# Altium PCB LOAPAY_V5.7.8.PcbDoc (continued)
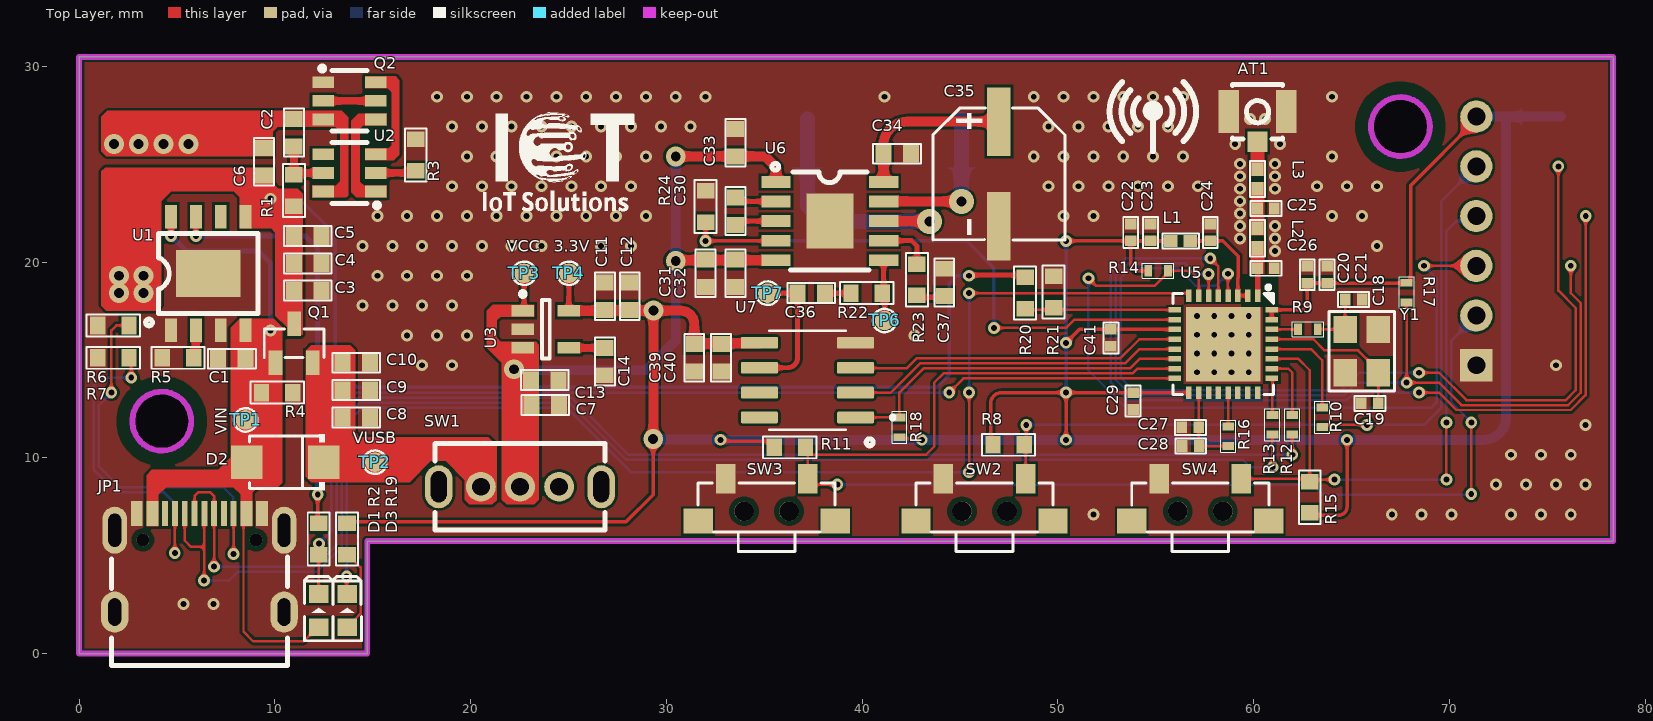
[diagram p0: Top Layer view]
## Part data (continued)
C35: library part C_ALU_220uF_10V_D, "220uF 10V 110mA@120Hz ±20% SMD,D6.3xL7.7mm Aluminum Electrolytic Capacitors - SMD ROHS", LCSC Part=C72495, Manufacture Part Number=RVT1A221M0607, Manufacturer=ROQANG, Package=SMD,D6.3xL7.7mm, Tolerance=±20%, Link=https://www.lcsc.com/product-detail/Aluminum-Electrolytic-Capacitors-SMD_ROQANG-RVT1A221M0607_C72495.html?s_z=n_RVT1A221M0607, Packaging="Cut Tape (CT)"
C36 C37: library part C0603_MLCC_3.3nF_50V, "50V 3.3nF X7R ±10% 0603 Multilayer Ceramic Capacitors MLCC - SMD/SMT ROHS", LCSC Part=C107088, Manufacture Part Number=CC0603KRX7R9BB332, Manufacturer=YAGEO, Package=0603, Tolerance=±10%, Link=https://www.lcsc.com/product-detail/Multilayer-Ceramic-Capacitors-MLCC-SMD-SMT_YAGEO-CC0603KRX7R9BB332_C107088.html?s_z=n_0603%25203.3nF%2520, Packaging="Cut Tape (CT)"
D1: library part L0603_RED, "20mA 330mcd Colorless Transparent Lens -20℃~+85℃ Positive Stick 620nm~630nm Red 120° 50mW 2.3V 0603 LED Indication - Discrete ROHS", LCSC Part=C965799, Manufacture Part Number=XL-1608SURC-06, Manufacturer=XINGLIGHT, Package=0603, Link=https://www.lcsc.com/product-detail/LED-Indication-Discrete_XINGLIGHT-XL-1608SURC-06_C965799.html?s_z=n_LED%200603%20red, Packaging="Cut Tape (CT)"
D2: "3A Independent Type 1.1V@3A 1kV SMAF Diodes - General Purpose ROHS", LCSC Part=C123928, Manufacturer="Shandong Jingdao Microelectronics", Package=SMAF, Link=https://www.lcsc.com/product-detail/Diodes-General-Purpose_Shandong-Jingdao-Microelectronics-S3MF_C123928.html?s_z=n_s3m, Manufacture Part Number=S3MF, Packaging="Cut Tape"
D3: library part L0603_GREEN, "225mcd~450mcd Colorless Transparent Lens -40℃~+85℃ Positive Stick 520nm~535nm Green 120° 70mW 2.4V~3V 0603 LED Indication - Discrete ROHS", LCSC Part=C19171301, Manufacture Part Number=A-SP192DGHC-C01-4T, Manufacturer=Amicc, Package=0603, Link=https://www.lcsc.com/product-detail/LED-Indication-Discrete_Amicc-A-SP192DGHC-C01-4T_C19171301.html?s_z=n_LED%200603%20green, Packaging="Cut Tape (CT)"
JP1: library part TYPE_C_16P, "USB-C (USB TYPE-C) USB 2.0 Receptacle Connector 24 (16+8 Dummy) Position Surface Mount, Right Angle; Through Hole", LCSC Part=C2765186, Manufacture Part Number=12402012E212A, Manufacturer="Amphenol ICC (Commercial Products)", Package=Plugin, Link=https://www.lcsc.com/product-detail/USB-Connectors_SHOU-HAN-TYPE-C-16PIN-2MD-073_C2765186.html?s_z=n_c2765186, Packaging="Cut Tape"
JP2: library part "XFCN PZ254V-11-05P", "Policy 2.5mm 5P 6mm -40℃~+105℃ 3mm 2.54mm Single Row Black Brass 1x5P Plugin,P=2.54mm Pin Headers ROHS", LCSC Part=C492404, Manufacturer=XFCN, Package=Plugin,P=2.54mm, Link=https://www.lcsc.com/product-detail/Pin-Headers_XFCN-PZ254V-11-05P_C492404.html?s_z=n_XFCN%20PZ254V-11-05P, Manufacture Part Number=PZ254V-11-05P, Packaging="Cut Tape"
JP3: "250V 3A Policy 2.5mm 4P 6mm -40℃~+105℃ 3mm 2.54mm Single Row Black 1x4P Plugin,P=2.54mm Pin Headers ROHS", Manufacturer=XFCN, Package=Plugin,P=2.54mm, Link=https://www.lcsc.com/product-detail/Pin-Headers_XFCN-PZ254V-11-06P_C492405.html?s_z=n_PZ254V-11-06P, Manufacture Part Number=PZ254V-11-06P, Packaging="Cut Tape"
L1: library part L0402_2nH_900mA, "900mA 2nH 90mΩ 0402 Inductors (SMD) ROHS", Current=900mA, Inductor=2nH, LCSC Part=C18216, Manufacture Part Number=LQG15HS2N0S02D, Manufacturer="Murata Electronics", Package=0402, Link=https://www.lcsc.com/product-detail/Inductors-SMD_Murata-Electronics-LQG15HS2N0S02D_C18216.html?s_z=n_0402%202nH, Packaging="Cut Tape"
L2: library part L0402_2.6nH_1.95A, "1.95A 2.6nH 0402 Power Inductors ROHS", Current=1.95A, Inductor=2.6nH, LCSC Part=C412268, Manufacture Part Number=LQW15AN2N6G80D, Manufacturer="Murata Electronics", Package=0402, Link=https://lcsc.com/product-detail/Power-Inductors_Murata-Electronics-LQW15AN2N6G80D_C412268.html?s_z=n_0402%25202.6nH, Packaging="Cut Tape"
L3: library part L0402_1.7nH_1.15A, "1.15A 1.7nH 0402 Power Inductors ROHS", Current=1.15A, Inductor=1.7nH, LCSC Part=C412263, Manufacture Part Number=LQW15AN1N7C80D, Manufacturer="Murata Electronics", Package=0402, Link=https://lcsc.com/product-detail/Power-Inductors_Murata-Electronics-LQW15AN1N7C80D_C412263.html?s_z=n_0402%25201.7nH, Packaging="Cut Tape"
Q1: "30V 4.2A 42mΩ@10V,4A 1.4W 800mV@250uA 1 Piece P-Channel SOT-23 MOSFETs ROHS", Continuous Drain Current (Id)=4.2A, Drain Source Voltage (Vdss)=30V, LCSC Part=C5224195, Manufacturer=ElecSuper, Package=SOT-23-3, Power Dissipation (Pd)=1.4W, Link=https://www.lcsc.com/product-detail/MOSFETs_ElecSuper-AO3401_C5224195.html, Manufacture Part Number=AO3401, Packaging="Cut Tape (CT)"
Q2: "20V 25mΩ@2.5V,3A 1.5W 500mV SOT-23-6 MOSFETs ROHS", Drain to Source Voltage=20V, Gate Threshold Voltage (Vgs(th)@Id)=500mV, LCSC Part=C2830320, Manufacturer="TECH PUBLIC", Package=SOT-23-6, Link=https://www.lcsc.com/product-detail/MOSFETs_TECH-PUBLIC-FS8205A_C2830320.html?s_z=n_fs8205, Manufacture Part Number=FS8205A, Packaging="Cut Tape (CT)", RDS(on)=25mΩ@2.5V,3A
R1 R2 R3 R19: library part R0603_1K, "1 kOhms ±1% 0.1W, 1/10W Chip Resistor 0603 (1608 Metric) Moisture Resistant Thick Film", LCSC Part=C22548, Manufacture Part Number=RC0603FR-071KL, Manufacturer=YAGEO, Package=0603, Tolerance=±1%, Link=https://www.lcsc.com/product-detail/Chip-Resistor-Surface-Mount_YAGEO-RC0603FR-071KL_C22548.html?s_z=n_RC0603FR-071KL, Link Digikey=https://www.digikey.com/en/products/detail/yageo/RC0603FR-071KL/726843, Packaging="Cut Tape (CT)"
R4 R8 R11 R15 R24: library part R0603_10K, "10 kOhms ±1% 0.1W, 1/10W Chip Resistor 0603 (1608 Metric) Moisture Resistant Thick Film", LCSC Part=C98220, Manufacture Part Number=RC0603FR-0710KL, Manufacturer=YAGEO, Package=0603, Tolerance=±1%, Link=https://www.lcsc.com/product-detail/Chip-Resistor-Surface-Mount_YAGEO-RC0603FR-0710KL_C98220.html?s_z=n_RC0603FR-0710KL, Link Digikey=https://www.digikey.com/en/products/detail/yageo/RC0603FR-0710KL/726880, Packaging="Cut Tape (CT)"
R5: library part R0603_2K, "2 kOhms ±1% 0.1W, 1/10W Chip Resistor 0603 (1608 Metric) Moisture Resistant Thick Film", LCSC Part=C105576, Manufacture Part Number=RC0603FR-072KL, Manufacturer=YAGEO, Package=0603, Tolerance=±1%, Link=https://www.lcsc.com/product-detail/Chip-Resistor-Surface-Mount_YAGEO-RC0603FR-072KL_C105576.html?s_z=n_RC0603FR-072KL, Link Digikey=https://www.digikey.com/en/products/detail/yageo/RC0603FR-072KL/727009, Packaging="Cut Tape (CT)"
R6 R7: library part R0603_5.1K, "5.1 kOhms ±1% 0.1W, 1/10W Chip Resistor 0603 (1608 Metric) Moisture Resistant Thick Film", LCSC Part=C105580, Manufacture Part Number=RC0603FR-075K1L, Manufacturer=YAGEO, Package=0603, Tolerance=±1%, Link=https://www.lcsc.com/product-detail/Chip-Resistor-Surface-Mount_YAGEO-RC0603FR-075K1L_C105580.html?s_z=n_RC0603FR-075K1L, Link Digikey=https://www.digikey.com/en/products/detail/yageo/RC0603FR-075K1L/727268, Packaging="Cut Tape (CT)"
R9 R12 R13: library part R0402_0R, "0 Ohms Jumper Chip Resistor 0402 (1005 Metric) Moisture Resistant Thick Film", LCSC Part=C60485, Manufacture Part Number=RC0402JR-070RL, Manufacturer=YAGEO, Package=0402, Tolerance=±1%, Link=https://www.lcsc.com/product-detail/Chip-Resistor-Surface-Mount_YAGEO-RC0402JR-070RL_C60485.html?s_z=n_RC0402JR-070RL, Link Digikey=https://www.digikey.com/en/products/detail/yageo/RC0402JR-070RL/726406, Packaging="Cut Tape (CT)"
R10: library part R0402_499R, "499 Ohms ±1% 0.063W, 1/16W Chip Resistor 0402 (1005 Metric) Moisture Resistant Thick Film", LCSC Part=C5716867, Manufacture Part Number=RC0402FR-13499RL, Manufacturer=YAGEO, Package=0402, Tolerance=±1%, Link=https://www.lcsc.com/product-detail/Chip-Resistor-Surface-Mount_YAGEO-RC0402FR-13499RL_C5716867.html?s_z=n_RC0402FR-13499RL, Link Digikey=https://www.digikey.com/en/products/detail/yageo/RC0402FR-13499RL/16982107, Packaging="Cut Tape (CT)"
R14 R16 R17 R18: library part R0402_10K, "10 kOhms ±1% 0.063W, 1/16W Chip Resistor 0402 (1005 Metric) Moisture Resistant Thick Film", LCSC Part=C60490, Manufacture Part Number=RC0402FR-0710KL, Manufacturer=YAGEO, Package=0402, Tolerance=±1%, Link=https://www.lcsc.com/product-detail/Chip-Resistor-Surface-Mount_YAGEO-RC0402FR-0710KL_C60490.html?s_z=n_RC0402FR-0710KL, Link Digikey=https://www.digikey.com/en/products/detail/yageo/RC0402FR-0710KL/726523, Packaging="Cut Tape (CT)"
R20 R22 R23: library part R0603_20K, "100mW Thick Film Resistors 75V ±100ppm/℃ ±1% 20kΩ 0603 Chip Resistor - Surface Mount ROHS", LCSC Part=C105575, Manufacture Part Number=RC0603FR-0720KL, Manufacturer=YAGEO, Package=0603, Tolerance=±1%, Link=https://www.lcsc.com/product-detail/Chip-Resistor-Surface-Mount_YAGEO-RC0603FR-0720KL_C105575.html?s_z=n_RC0603FR-0720KL, Link Digikey=https://www.digikey.com/en/products/detail/yageo/RC0603FR-0720KL/727040, Packaging="Cut Tape (CT)"
R21: library part R0603_4.7K, "4.7 kOhms ±1% 0.1W, 1/10W Chip Resistor 0603 (1608 Metric) Moisture Resistant Thick Film", LCSC Part=C99782, Manufacture Part Number=RC0603FR-074K7L, Manufacturer=YAGEO, Package=0603, Tolerance=±1%, Link=https://www.lcsc.com/product-detail/Chip-Resistor-Surface-Mount_YAGEO-RC0603FR-074K7L_C99782.html?s_z=n_RC0603FR-074K7L, Link Digikey=https://www.digikey.com/en/products/detail/yageo/RC0603FR-074K7L/727212, Packaging="Cut Tape (CT)"
SP1 SP2 SP3 SP4: library part "SOLDERING PAD", "Soldering Pad"
SW1: "500mA SPDT 50V 5千次 Plugin Slide Switches ROHS", LCSC Part=C393937, Manufacturer="SHOU HAN", Package=Plugin, Link=https://www.lcsc.com/product-detail/Slide-Switches_SHOU-HAN-SK12D07VG4_C393937.html, Manufacture Part Number=SK12D07VG4
SW2 SW3 SW4: "Without bracket 50mA 3.6mm 100000 Times 260gf 12V 3.5mm 3.5mm Rectangle button Standing paste SPST SMD,3x6mm Tactile Switches ROHS", LCSC Part=C18078107, Manufacturer=Bossie, Package=SMD,3x6mm, Link=https://www.lcsc.com/product-detail/Tactile-Switches_Bossie-BX-TS-26-3635TT_C18078107.html?s_z=n_tactile, Manufacture Part Number=C18078107, Packaging="Cut Tape"
TP1 TP2 TP3 TP4 TP6 TP7: library part TEST_POINT
U1: "ESOP-8 Battery Management ICs ROHS", LCSC Part=C7473158, Manufacture Part Number=TP4056-MS, Manufacturer=MSKSEMI, Package=ESOP-8, Link=https://www.lcsc.com/product-detail/Battery-Management_MSKSEMI-TP4056-MS_C7473158.html?s_z=n_tp4056, Packaging="Cut Tape (CT)"
U2: "-300mV~8V Lithium-Ion/Polymer 1 SOT-23-6  Battery Management ROHS", LCSC Part=C2927799, Manufacturer=YONGYUTAI, Package=SOT-23-6, Link=https://jlcpcb.com/partdetail/YONGYUTAI-DW01A/C2927799, Manufacture Part Number=DW01A, Packaging="Cut Tape (CT)"
U3: "300mA Fixed 3.3V Positive electrode 5.5V SOT-23-5 Voltage Regulators - Linear, Low Drop Out (LDO) Regulators ROHS", LCSC Part=C15651, Manufacturer="Richtek Tech", Package=SOT-23-5, Link=https://www.lcsc.com/product-detail/Voltage-Regulators-Linear-Low-Drop-Out-LDO-Regulators_Richtek-Tech-RT9193-33GB_C15651.html?s_z=n_rt9193, Manufacture Part Number=RT9193-33GB, Packaging="Cut Tape"
U5: "QFN-32-EP(5x5) Microcontrollers (MCU/MPU/SOC) ROHS", LCSC Part=C2858491, Manufacturer="Espressif Systems", Package=QFN-32-EP(5x5), Link=https://www.lcsc.com/product-detail/Microcontrollers-MCU-MPU-SOC_Espressif-Systems-ESP32-C3FH4_C2858491.html?s_z=n_esp32c3h4, Manufacture Part Number=ESP32-C3FH4, Packaging="Cut Tape (CT)"
U6: "Amplifier", Manufacturer="ChipSourceTek Technology", Package=ESOP-10, Manufacture Part Number=HAA9811, Packaging="Cut Tape (CT)"
U7: "3V~8V 16-Bit SOIC-8 Digital to Analog Converters (DAC) ROHS", LCSC Part=C92003, Manufacturer="TM(Shenzhen Titan Micro Elec)", Package=SOIC-8, Link=https://www.lcsc.com/product-detail/Digital-to-Analog-Converters-DAC_TM-Shenzhen-Titan-Micro-Elec-TM8211_C92003.html?s_z=n_tm8211, Manufacture Part Number=TM8211, Packaging="Cut Tape (CT)"
Y1: library part 40Mhz-3225-4P, "40MHz Surface Mount Crystal 9pF ±10ppm ±10ppm SMD3225-4P Crystals ROHS", LCSC Part=C37635390, Manufacture Part Number=XTM32040000FT00351001, Manufacturer=TOGNJING, Package=SMD3225-4P, Link=https://www.lcsc.com/product-detail/Crystals_TOGNJING-XTM32040000FT00351001_C37635390.html?s_z=n_40mhz, Packaging="Cut Tape (CT)"

## Via types
v1: diameter 0.61, hole 0.305, Top Layer to Bottom Layer, tented both sides, 118 vias
v2: diameter 0.6, hole 0.3, Top Layer to Bottom Layer, tented both sides, 81 vias
v3: diameter 1.016, hole 0.508, Top Layer to Bottom Layer, tented both sides, 13 vias
v4: diameter 1.27, hole 0.508, Top Layer to Bottom Layer, tented both sides, 2 vias

## Nets (pads, with @x,y where several pads share a name; then routed paths per layer and width w, separated by ;. In a path a pad name is that pad's centre, name@x,y a point inside that pad or via, vN(x,y) a via of type N, cw(c..) or ccw(c..) an arc to the next point about the centre after c; other vN are vias at no path point)
3.3V: C11.2 C12.2 C20.2 C21.2 C22.2 C23.2 C29.2 C39.2 C40.2 C41.2 JP2.1 JP3.6 L1.1 R8.2 R11.2 R14.2 R15.2 R17.2 R18.2 R19.2 TP4.1 U3.5 U5.11 U5.17 U5.31 U5.32 U7.5 | length 167.2
  Top Layer w0.178: R19.2@13.69,6.769 13.728,6.731 27.94,6.731 29.33,8.121 v3(29.33,10.967) ; v2(32.766,10.922) 32.827,10.861 35.184,10.861 35.395,10.65 R11.2@35.395,10.541 ; R18.2 41.978,10.99 42.985,10.99 v2(43.053,10.922) ; R8.2@46.571,10.668 46.571,12.789 cw(c47.117,12.789) 47.117,13.335 v2(50.419,13.335) ; v2(50.419,10.922) v2(50.419,13.335) ; v2(50.419,15.875) 51.105,16.561 C41.2 U5.11 ; v2(50.419,21.082) C22.2 ; R14.2 53.975,19.558 53.721,19.812 C22.2 ; L1.1 C23.2 C22.2 ; U5.17 50.421,13.333 v2(50.419,13.335) ; U5.31 U5.32 62.518,17.56 62.738,17.78 C20.2 C21.2 ; R15.2@62.865,7.074 64.351,7.074 ccw(c64.351,7.493) 64.77,7.493 v2(64.77,10.922) ; C21.2@63.762,18.931 R17.2@67.812,18.931 ; R17.2 67.912,18.945 68.023,19.056 68.023,23.916 71.374,27.268 JP3.6
  Top Layer w0.254: U3.5@25.02,17.522 TP4.1
  Top Layer w0.508: TP4.1 TP4.1 ; U3.5@25.02,17.522 U3.5 v3(29.337,17.521) ; v3(29.33,10.967) 29.333,10.97 29.333,17.517 v3(29.337,17.521) ; U7.5 34.725,15.844 31.458,15.844 C39.2 31.427,16.833 ccw(c30.739,16.833) 30.739,17.521 v3(29.337,17.521)
  Bottom Layer w0.178: v2(50.419,13.335) v2(50.419,15.875) v2(50.419,21.082)
  Bottom Layer w0.508: v3(29.33,10.967) 29.357,10.94 32.742,10.94 v2@32.766,10.964 ; v2@32.873,10.964 32.849,10.94 32.784,10.94 v2(32.766,10.922) v2(43.053,10.922) v2(50.419,10.922) v2(64.77,10.922) 71.755,10.922 ccw(c71.755,12.065) 72.898,12.065 72.898,27.432 ; JP3.6 72.898,27.432 ; JP2.1 72.898,27.432
7SEG_DIO: JP2.2 U5.4 | length 49
  Top Layer w0.127: v2(58.688,19.407) 58.69,19.405 58.69,18.296 U5.4 ; v2(68.453,14.351) 69.469,14.351 70.866,12.954 75.946,12.954 76.454,13.462 76.454,17.653 75.565,18.542 v2(75.565,24.892)
  Bottom Layer w0.127: v2(58.688,19.407) 58.688,19.397 58.087,18.796 57.019,18.796 56.13,19.685 53.721,19.685 53.213,19.177 53.213,14.097 53.848,13.462 64.516,13.462 65.405,14.351 v2(68.453,14.351)
7SEG_RCLK: JP2.3 U5.5 | length 47.7
  Top Layer w0.127: v2(57.785,20.193) 58.198,19.78 U5.5 ; v2(68.453,13.335) 69.469,13.335 70.358,12.446 76.2,12.446 76.962,13.208 v2(76.962,22.352)
  Bottom Layer w0.127: v2(57.785,20.193) 53.447,20.193 52.705,19.451 52.705,13.843 53.594,12.954 64.77,12.954 65.151,13.335 v2(68.453,13.335)
7SEG_SCLK: JP2.4 R17.1 U5.6 | length 47.6
  Top Layer w0.127: U5.6 v2(57.698,19.391) ; R17.1@67.945,17.931 67.818,17.804 v2(67.818,13.843) 69.469,13.843 70.612,12.7 76.073,12.7 76.708,13.335 76.708,17.907 76.2,18.415 v2(76.2,19.812)
  Bottom Layer w0.127: v2(57.698,19.391) 57.063,19.391 56.515,19.939 53.594,19.939 52.959,19.304 52.959,13.97 53.721,13.208 64.643,13.208 65.278,13.843 v2(67.818,13.843)
CHARG: D1.2 R2.1 U5.16 | length 52.6
  Top Layer w0.127: D1.2 R2.1@12.243,4.953 ; v2(44.45,13.335) 45.175,14.06 U5.16
  Bottom Layer w0.127: v2(12.261,5.619) 12.875,6.234 12.875,12.113 14.097,13.335 v2(44.45,13.335)
CHIP_EN: JP3.3 R14.1 U5.7 | length 40.5
  Top Layer w0.127: v2(51.562,19.177) 51.943,18.796 54.956,18.796 55.618,19.458 R14.1 56.769,19.558 57.198,19.129 U5.7 ; v2(68.707,19.812) JP3.3
  Bottom Layer w0.127: v2(51.562,19.177) 51.562,14.478 53.467,12.573 69.088,12.573 69.342,12.827 69.342,19.177 v2(68.707,19.812)
DAC_BCK: R18.1 U5.14 U7.1 | length 18.3
  Top Layer w0.127: U7.1 R18.1@41.91,12.065 ; R18.1 R18.1@41.91,12.065 ; U5.14 54.176,15.06 53.688,14.572 43.141,14.572 41.91,13.341 R18.1@41.91,12.065
DAC_DIN: U5.12 U7.3 | length 16.9
  Top Layer w0.127: U7.3 39.666,14.587 42.291,14.587 42.784,15.08 53.18,15.08 54.16,16.06 U5.12
DAC_WS: U5.13 U7.2 | length 17.2
  Top Layer w0.127: U7.2 41.467,13.335 42.959,14.826 53.434,14.826 54.168,15.56 U5.13
ESP32_D_N: JP1.A7 JP1.B7 R13.1 | length 71.1
  Top Layer w0.127: JP1.B7@5.399,7.159 5.399,5.777 5.727,5.449 6.391,5.449 ; v2(6.381,3.737) 6.391,3.746 6.391,5.449 ; JP1.A7 6.391,7.151 6.391,5.449 ; v2(60.96,9.525) R13.1
  Bottom Layer w0.127: v2(6.381,3.737) 7.674,3.737 8.128,4.19 12.17,4.19 13.415,5.436 13.415,11.891 14.351,12.827 25.019,12.827 27.94,9.906 59.436,9.906 59.817,9.525 v2(60.96,9.525)
ESP32_D_P: JP1.A6 JP1.B6 R12.1 | length 70.4
  Top Layer w0.127: JP1.A6 5.9,8.059 6.096,8.255 6.697,8.255 6.9,8.052 JP1.B6 6.895,7.156 6.895,4.449 v2(6.891,4.444) ; v2(61.976,10.16) R12.1
  Bottom Layer w0.127: v2(6.891,4.444) 12.064,4.444 13.161,5.541 13.161,12.018 14.224,13.081 25.146,13.081 28.067,10.16 v2(61.976,10.16)
ESP32D_N: R13.2 U5.25 | length 1.9
  Top Layer w0.127: U5.25 60.96,14.026 R13.2
ESP32D_P: R12.2 U5.26 | length 3.3
  Top Layer w0.127: U5.26 61.767,14.56 61.976,14.351 R12.2
FUNCTION: JP3.4 R15.1 SW4.1 U5.27 | length 32.8
  Top Layer w0.127: SW4.1 62.826,8.929 62.865,8.89 62.865,14.478 62.283,15.06 U5.27 ; R15.1 62.967,8.89 v2(64.135,8.89) ; v2(69.85,8.89) v2(69.85,11.811)
  Bottom Layer w0.127: v2(64.135,8.89) v2(69.85,8.89) ; v2(69.85,11.811) 69.85,21.59 70.358,22.098 71.12,22.098 JP3.4
GND: AT1.2 C1.1 C3.1 C4.1 C5.1 C7.1 C8.1 C9.1 C10.1 C11.1 C12.1 C13.1 C14.1 C18.2 C19.2 C20.1 C21.1 C22.1 C23.1 C24.1 C25.1 C26.1 C27.1 C28.1 C29.1 C31.1 C32.1 C33.1 C34.1 C35.2 C37.1 C39.1 C40.1 C41.1 JP1.A1 JP1.S1 JP2.5 JP3.1 Q2.1 R3.1 R4.1 R5.1 R6.1 R7.1 R21.1 R24.1 SW2.2 SW3.2 SW4.2 U1.1 U1.3 U1.9 U3.2 U5.33 U6.11 U7.4 Y1.2 Y1.4
  other v1: 5.334,2.54 6.858,2.54 51.816,7.112 67.056,7.112 68.58,7.112 70.104,7.112 73.152,7.112 74.676,7.112 76.2,7.112 72.39,8.636 73.914,8.636 75.438,8.636 76.962,8.636 73.152,10.16 74.676,10.16 76.2,10.16 76.962,11.684 17.526,14.732 19.05,14.732 75.438,14.732 16.764,16.256 18.288,16.256 19.812,16.256 42.672,16.256 14.478,17.78 16.002,17.78 17.526,17.78 19.05,17.78 15.24,19.304 16.764,19.304 18.288,19.304 19.812,19.304 14.478,20.828 16.002,20.828 17.526,20.828 19.05,20.828 20.574,20.828 22.098,20.828 23.622,20.828 26.67,20.828 28.194,20.828 66.294,20.828 15.24,22.352 16.764,22.352 18.288,22.352 19.812,22.352 21.336,22.352 22.86,22.352 24.384,22.352 25.908,22.352 27.432,22.352 28.956,22.352 50.292,22.352 51.816,22.352 64.008,22.352 65.532,22.352 19.05,23.876 20.574,23.876 22.098,23.876 23.622,23.876 25.146,23.876 26.67,23.876 28.194,23.876 49.53,23.876 51.054,23.876 52.578,23.876 54.102,23.876 55.626,23.876 57.15,23.876 63.246,23.876 64.77,23.876 66.294,23.876 19.812,25.4 21.336,25.4 22.86,25.4 24.384,25.4 25.908,25.4 27.432,25.4 28.956,25.4 48.768,25.4 50.292,25.4 51.816,25.4 53.34,25.4 54.864,25.4 56.388,25.4 64.008,25.4 19.05,26.924 20.574,26.924 22.098,26.924 23.622,26.924 25.146,26.924 26.67,26.924 28.194,26.924 29.718,26.924 31.242,26.924 49.53,26.924 51.054,26.924 52.578,26.924 54.102,26.924 55.626,26.924 18.288,28.448 19.812,28.448 21.336,28.448 22.86,28.448 24.384,28.448 25.908,28.448 27.432,28.448 28.956,28.448 30.48,28.448 32.004,28.448 41.148,28.448 48.768,28.448 50.292,28.448 51.816,28.448 53.34,28.448 54.864,28.448 56.388,28.448 64.008,28.448
  other v2: 57.11,14.377 57.991,14.377 58.871,14.377 59.752,14.377 57.11,15.333 57.991,15.333 58.871,15.333 59.752,15.333 57.11,16.29 57.991,16.29 58.871,16.29 59.752,16.29 57.11,17.247 57.991,17.247 58.871,17.247 59.752,17.247 61.087,20.574 59.309,21.209 61.087,21.209 59.309,21.844 61.087,21.844 59.309,22.479 59.309,23.114 59.309,23.749 61.087,23.749 59.309,24.384 61.087,24.384 59.309,25.019 61.087,25.019 59.055,26.035 61.341,26.035 59.817,27.305 60.579,27.305
ME_BAT: R20.1 R21.2 U5.9 | length 7.6
  Top Layer w0.127: R20.1@48.362,17.56 49.784,17.56 U5.9
NetAT1_1: AT1.1 L3.1
NetC2_2: C2.2 R1.1 U2.5 | length 2.9
  Top Layer w0.381: C2.2 10.975,24.554 U2.5
NetC14_2: C14.2 U3.4 | length 1.8
  Top Layer w0.381: U3.4 C14.2
NetC18_1: C18.1 R9.2 Y1.1 | length 2.9
  Top Layer w0.127: R9.2 64.656,16.57 Y1.1 64.669,18.081 C18.1
NetC19_1: C19.1 U5.29 Y1.3 | length 7.8
  Top Layer w0.127: U5.29 63.061,16.06 63.627,15.494 65.332,15.494 66.369,14.458 Y1.3 66.37,14.356 C19.1
NetC24_2: C24.2 L1.2 U5.2 U5.3 | length 5.3
  Top Layer w0.178: L1.2 58.42,21.082 59.204,20.298 59.204,19.193 59.198,19.187 U5.3 U5.2
NetC25_2: C25.2 L2.1 L3.2
NetC26_2: C26.2 L2.2 U5.1 | length 1.4
  Top Layer w0.28: U5.1 C26.2
NetC27_2: C27.2 C28.2 R16.2 U5.18 | length 4.2
  Top Layer w0.127: U5.18 57.198,10.626 C28.2 R16.2@58.709,10.606
NetC30_1: C30.1 U6.3 | length 2.2
  Top Layer w0.254: C30.1 33.72,22.098 U6.3
NetC30_2: C30.2 U6.2 | length 2.2
  Top Layer w0.254: C30.2 33.736,23.098 U6.2
NetC34_2: C34.2 C35.1 U6.10 | length 8.5
  Top Layer w0.508: C34.2 41.088,25.975 cw(c42.291,25.975) 41.104,26.171 cw(c42.291,25.975) 42.291,27.178 C35.1 ; U6.10 C34.2@41.104,25.537
NetC36_1: C36.1 TP7.1 U7.6 | length 7.1
  Top Layer w0.254: U7.6 36.195,14.605 ccw(c36.195,15.113) 36.703,15.113 36.703,18.415 C36.1 TP7.1
NetC36_2: C36.2 R22.1 | length 1.2
  Top Layer w0.254: C36.2 R22.1@39.332,18.415
NetC37_2: C37.2 R23.1 | length 1.4
  Top Layer w0.254: R23.1@42.799,18.199 44.134,18.199 C37.2
NetD3_1: D3.1 R19.1 | length 4.1
  Top Layer w0.127: D3.1 13.741,1.348 14.127,1.734 14.127,1.785 14.385,2.042 14.385,4.409 R19.1@13.841,4.953
NetJP1_A5: JP1.A5 R7.2 | length 16.8
  Top Layer w0.127: v2(2.667,14.097) R7.2@2.667,15.113 ; v2(4.894,5.137) 4.897,5.14 4.897,7.158 JP1.A5
  Bottom Layer w0.127: v2(2.667,14.097) 1.143,14.097 0.763,13.717 0.763,9.378 1.886,8.255 4.318,8.255 4.894,7.679 v2(4.894,5.137)
NetJP1_B5: JP1.B5 R6.2 | length 20.8
  Top Layer w0.127: v2(1.651,13.335) 1.651,16.51 1.905,16.764 R6.2@2.667,16.764 ; v2(7.89,5.09) 7.895,5.095 7.895,7.155 JP1.B5
  Bottom Layer w0.127: v2(1.651,13.335) 1.017,12.701 1.017,9.56 2.068,8.509 7.366,8.509 7.89,7.985 v2(7.89,5.09)
NetQ2_2: Q2.2 Q2.5 | length 2.7
  Top Layer w0.381: Q2.2 Q2.5
NetQ2_4: Q2.4 U2.1
NetQ2_6: Q2.6 U2.3
NetR2_2: R2.2 U1.7 | length 21.4
  Top Layer w0.178: v2(5.969,21.336) U1.7 ; v2(12.192,8.128) 12.192,6.82 R2.2@12.243,6.769
  Bottom Layer w0.254: v2(5.969,21.336) 11.557,21.336 12.192,20.701 12.192,16.764 v2(12.192,8.128)
NetR3_2: R3.2 U2.2 | length 2
  Top Layer w0.381: U2.2 R3.2@17.199,24.554
NetR5_2: R5.2 U1.2 | length 1.4
  Top Layer w0.381: R5.2@5.969,15.113 U1.2
NetR9_1: R9.1 U5.30 | length 1.4
  Top Layer w0.127: U5.30 62.265,16.56 R9.1
NetR10_1: R10.1 U5.28 | length 5.2
  Top Layer w0.127: U5.28 62.926,15.56 63.5,14.986 R10.1
NetR16_1: R16.1 U5.21 | length 1.7
  Top Layer w0.127: U5.21 58.698,11.617 R16.1
NetR22_2: R22.2 TP6.1 U6.6 | length 3.1
  Top Layer w0.254: U6.6 41.104,18.459 ccw(c41.148,18.459) 41.148,18.415 TP6.1
NetR23_2: R23.2 U6.7 | length 2.6
  Top Layer w0.254: U6.7 42.529,21.098 42.799,20.828 R23.2@42.799,20.015
SD_MODE: R24.2 U5.10 U6.4 | length 32.2
  Top Layer w0.127: v2(46.736,16.637) 50.419,16.637 50.842,17.06 U5.10
  Top Layer w0.178: R24.2@32.004,21.933 v2(32.004,21.082) 35.588,21.082 U6.4
  Bottom Layer w0.178: v2(32.004,21.082) 45.339,21.082 46.736,19.685 v2(46.736,16.637)
SPEAKER_N: SP3.1 U6.9 | length 8.2
  Top Layer w0.508: U6.9 v4(45.069,23.098)
  Bottom Layer w0.762: v4(45.069,23.098) 45.077,23.106 45.077,27.297 SP3.1
SPEAKER_P: SP4.1 U6.8 | length 13.3
  Top Layer w0.508: U6.8 41.112,22.09 43.426,22.09 v4(43.434,22.082)
  Bottom Layer w0.762: SP4.1 37.211,22.86 37.989,22.082 v4(43.434,22.082)
STATUS: D3.2 U5.8 | length 62.7
  Top Layer w0.127: v2(13.669,3.939) 13.669,3.069 D3.2 ; v2(45.466,9.271) v2(45.466,13.335) ; v2(45.466,18.415) 56.621,18.415 56.698,18.338 U5.8
  Bottom Layer w0.127: v2(13.669,3.939) 13.669,11.764 14.478,12.573 24.892,12.573 28.194,9.271 v2(45.466,9.271) ; v2(45.466,13.335) v2(45.466,18.415)
VBAT: C3.2 C4.2 C5.2 C6.2 Q1.3 R1.2 R20.2 SP1.1 U1.5 | length 51.6
  Top Layer w0.254: v2(45.466,19.304) 45.502,19.34 48.325,19.34 R20.2@48.362,19.376
  Bottom Layer w0.178: v2(9.779,23.241) 11.255,23.241 13.081,21.415 13.081,14.732 14.199,13.614 43.815,13.614 44.45,14.249 44.45,18.923 44.831,19.304 v2(45.466,19.304)
  other v3: 2.032,18.415 3.302,18.415 2.032,19.304 3.302,19.304
VBAT-: C2.1 C6.1 Q2.3 SP2.1 U2.6
  other v3: 1.778,26.035 3.048,26.035 4.318,26.035 5.588,26.035
VCC: C7.2 C13.2 C31.2 C32.2 C33.2 SW1.2 TP3.1 U3.1 U3.3 U6.1 U6.5 | length 31.5
  Top Layer w0.254: U3.1 22.733,17.583 TP3.1
  Top Layer w0.508: v3(30.48,20.066) 30.512,20.098 U6.5 ; v3(30.48,25.4) C33.2 35.052,25.4 35.604,24.848 U6.1
  Bottom Layer w0.508: v3(22.212,14.527) 22.261,14.478 28.956,14.478 30.48,16.002 v3(30.48,20.066) v3(30.48,25.4)
VIN: C1.2 D1.1 D2.2 JP1.A4 Q1.1 R4.2 TP1.1 U1.4 U1.8 | length 20.5
  Top Layer w0.127: JP1.A4@8.55,7.161 8.402,7.012 8.402,1.123 8.89,0.635 11.48,0.635 12.193,1.348 D1.1
  Top Layer w0.254: v2(4.699,21.336) U1.8
  Bottom Layer w0.254: v2(4.699,21.336) 5.461,20.574 9.144,20.574 9.779,19.939 v2(9.779,16.51)
VOLUME+: JP3.5 R8.1 R10.2 SW2.1 | length 39.7
  Top Layer w0.127: SW2.1 48.35,10.631 48.387,10.668 v2(48.387,11.684) ; R10.2 63.611,11.684 v2(65.786,11.684)
  Bottom Layer w0.127: v2(48.387,11.684) v2(65.786,11.684) 68.707,11.684 69.596,12.573 69.596,23.114 JP3.5
VOLUME-: JP3.2 R11.1 SW3.1 U5.15 | length 68.7
  Top Layer w0.127: R11.1 R11.1@37.225,10.425 ; R11.1@37.211,10.541 37.225,10.527 R11.1@37.225,10.425 ; v2(38.735,8.636) 37.518,8.636 SW3.1 R11.1@37.225,10.425 ; U5.15 54.057,14.56 53.815,14.318 44.163,14.318 43.688,13.843 43.688,10.582 43.266,10.16 37.44,10.16 37.225,10.374 R11.1@37.225,10.425 ; v2(71.117,8.159) 71.119,8.16 71.119,11.81 v2(71.12,11.811)
  Bottom Layer w0.127: v2(38.735,8.636) 62.992,8.636 63.5,8.128 71.087,8.128 v2(71.117,8.159) ; v2(71.12,11.811) 70.104,12.827 70.104,16.002 JP3.2
VUSB: C8.2 C9.2 C10.2 D2.1 Q1.2 SW1.1 TP2.1
pads on no net: JP1. JP1.A8 JP1.B8 SW1.3 SW1.4 SW2. SW2.3 SW2.4 SW3. SW3.3 SW3.4 SW4. SW4.3 SW4.4 U1.6 U2.4 U5.19 U5.20 U5.22 U5.23 U5.24 U7.7 U7.8

## Polygon pours and split planes (outlines as drawn)
GND on Top Layer "GND_L01_P000" (solid, pour order 0): 0,0 14.725,0 14.725,5.75 63.55,5.75 78.359,5.75 78.359,30.48 0,30.48
GND on Bottom Layer "GND_L02_P001" (solid, pour order 1): 0,0 14.725,0 14.725,5.75 63.55,5.75 78.359,5.75 78.359,30.48 0,30.48

## Keep-outs
Keep-Out Layer:
  circle w0.3: c4.225,11.875 r1.505
  circle w0.3: c67.5,26.925 r1.505
  lines w0.3: -0.004,30.48 78.359,30.48 78.359,5.75 63.55,5.75 14.725,5.75 14.725,0 0,0 0,30.48

## Other copper
Top Layer:
  region net NetC25_2: 60.554,21.367 60.554,24.099 59.842,24.099 59.842,21.367
  region net NetAT1_1: 60.554,24.399 60.554,26.158 59.842,26.158 59.842,24.399
  region net NetC26_2: 59.842,21.076 59.842,19.385 60.554,19.385 60.554,21.076
  pour cut-out: 65.199,26.924 ccw(c67.499,26.924) 67.499,24.624 ccw(c67.499,26.924) 69.799,26.924 ccw(c67.499,26.924) 67.499,29.224 ccw(c67.499,26.924)
  pour cut-out: 4.224,9.574 cw(c4.224,11.874) 1.924,11.874 cw(c4.224,11.874) 4.224,14.174 cw(c4.224,11.874) 6.524,11.874 cw(c4.224,11.874)
  region net VCC: 21.59,7.874 21.844,7.62 23.241,7.62 23.495,7.874 23.495,15.784 23.496,15.785 23.36,15.921 21.544,15.921 21.336,16.129 21.336,17.018 21.539,17.221 23.246,17.221 23.246,17.821 21.123,17.821 20.828,17.526 20.828,15.621 21.082,15.367 21.59,14.859
  pour cut-out: 59.338,19.385 61.251,19.385 61.251,17.7 59.338,17.7
  region net VBAT: 10.638,16.234 10.638,16.667 10.033,17.272 10.033,21.511 9.817,21.727 11.426,21.727 11.426,16.322 11.338,16.234
  region net VBAT: 9.902,24.831 1.336,24.831 1.143,24.638 1.143,17.78 1.397,17.526 3.947,17.526 4.191,17.77 4.191,23.114 4.699,23.622 7.909,23.622 8.209,23.322 8.209,21.727 11.426,21.727 11.426,23.499 11.176,23.749 10.17,23.749 9.902,24.018
  region net NetQ2_4: 15.717,27.587 14.252,27.587 13.898,27.233 13.898,23.567 14.161,23.304 15.717,23.304 15.717,23.904 14.561,23.904 14.351,24.115 14.351,26.82 14.519,26.987 15.717,26.987
  region net NetQ2_6: 14.617,25.204 16.081,25.204 16.363,25.486 16.363,29.296 16.172,29.487 14.617,29.487 14.617,28.887 15.772,28.887 15.982,28.677 15.982,25.972 15.814,25.804 14.617,25.804
  region net VBAT-: 11.916,23.904 13.109,23.904 13.335,24.13 13.335,26.669 13.094,26.91 10.146,26.91 9.902,26.666 9.902,25.418 1.379,25.418 1.143,25.654 1.143,27.432 1.434,27.723 13.425,27.723 13.749,27.399 13.749,23.399 13.654,23.304 11.916,23.304
  region net VIN: 8.25,6.511 8.85,6.511 8.85,8.215 9.144,8.509 10.16,8.509 10.388,8.737 10.388,16.663 9.941,17.11 8.22,17.11 7.747,16.637 7.747,10.033 7.112,9.398 3.725,9.398 3.45,9.123 3.45,6.511 4.05,6.511 4.05,8.114 4.445,8.509 7.874,8.509 8.25,8.133
  region net VUSB: 11.588,9.032 11.588,14.234 11.588,15.484 11.852,15.748 13.843,15.748 14.097,15.494 14.097,11.303 14.351,11.049 20.905,11.049 21.336,10.618 21.336,7.843 21.113,7.62 19.939,7.62 19.707,7.852 19.707,8.868 18.726,9.849 17.977,9.849 16.891,8.763 11.857,8.763
  pour cut-out: 59.705,24.399 60.691,24.399 60.691,24.099 59.705,24.099
  pour cut-out: 59.705,21.367 60.691,21.367 60.691,21.067 59.705,21.067
Bottom Layer:
  pour cut-out: 65.199,26.924 ccw(c67.499,26.924) 67.499,24.624 ccw(c67.499,26.924) 69.799,26.924 ccw(c67.499,26.924) 67.499,29.224 ccw(c67.499,26.924)
  pour cut-out: 4.224,9.574 cw(c4.224,11.874) 1.924,11.874 cw(c4.224,11.874) 4.224,14.174 cw(c4.224,11.874) 6.524,11.874 cw(c4.224,11.874)

## Silkscreen, mask and mechanical layers (free items; w line width, h text height)
Top Overlay:
  drawing of 26 lines, arcs and shapes, not listed
  text "VCC" at 21.844,20.33 h1.02
  text "3.3V" at 24.257,20.33 h1.02
  text "VIN" at 7.747,11.176 h1.02 r90
  text "VUSB" at 13.97,10.551 h1.02
Bottom Overlay:
  drawing of 14 lines, arcs and shapes, not listed
  text "BAT-" at 6.223,27.813 h2.54
  text "SPKP" at 39.147,23.749 h2.54 r270
  text "SPKN" at 47.148,23.749 h2.54 r270
  text "BAT+" at 6.223,20.447 h2.54
  text "3V3" at 77.724,14.616 h1.02
  text "DIO" at 77.724,13.219 h1.02
  text "RCLK" at 77.724,11.822 h1.02
  text "MADE IN VIETNAM" at 53.721,10.922 h1.52 r270
  text "VER V5.7.8" at 55.389,10.923 h1.52 r270
  text "SCLK" at 77.724,10.425 h1.02
  text "GND" at 77.724,9.028 h1.02
  text "7 SEGMENT" at 73.152,8.636 h1.02 r270